# Altium PCB power_board.PcbDoc (part 2 of 2) (continued)
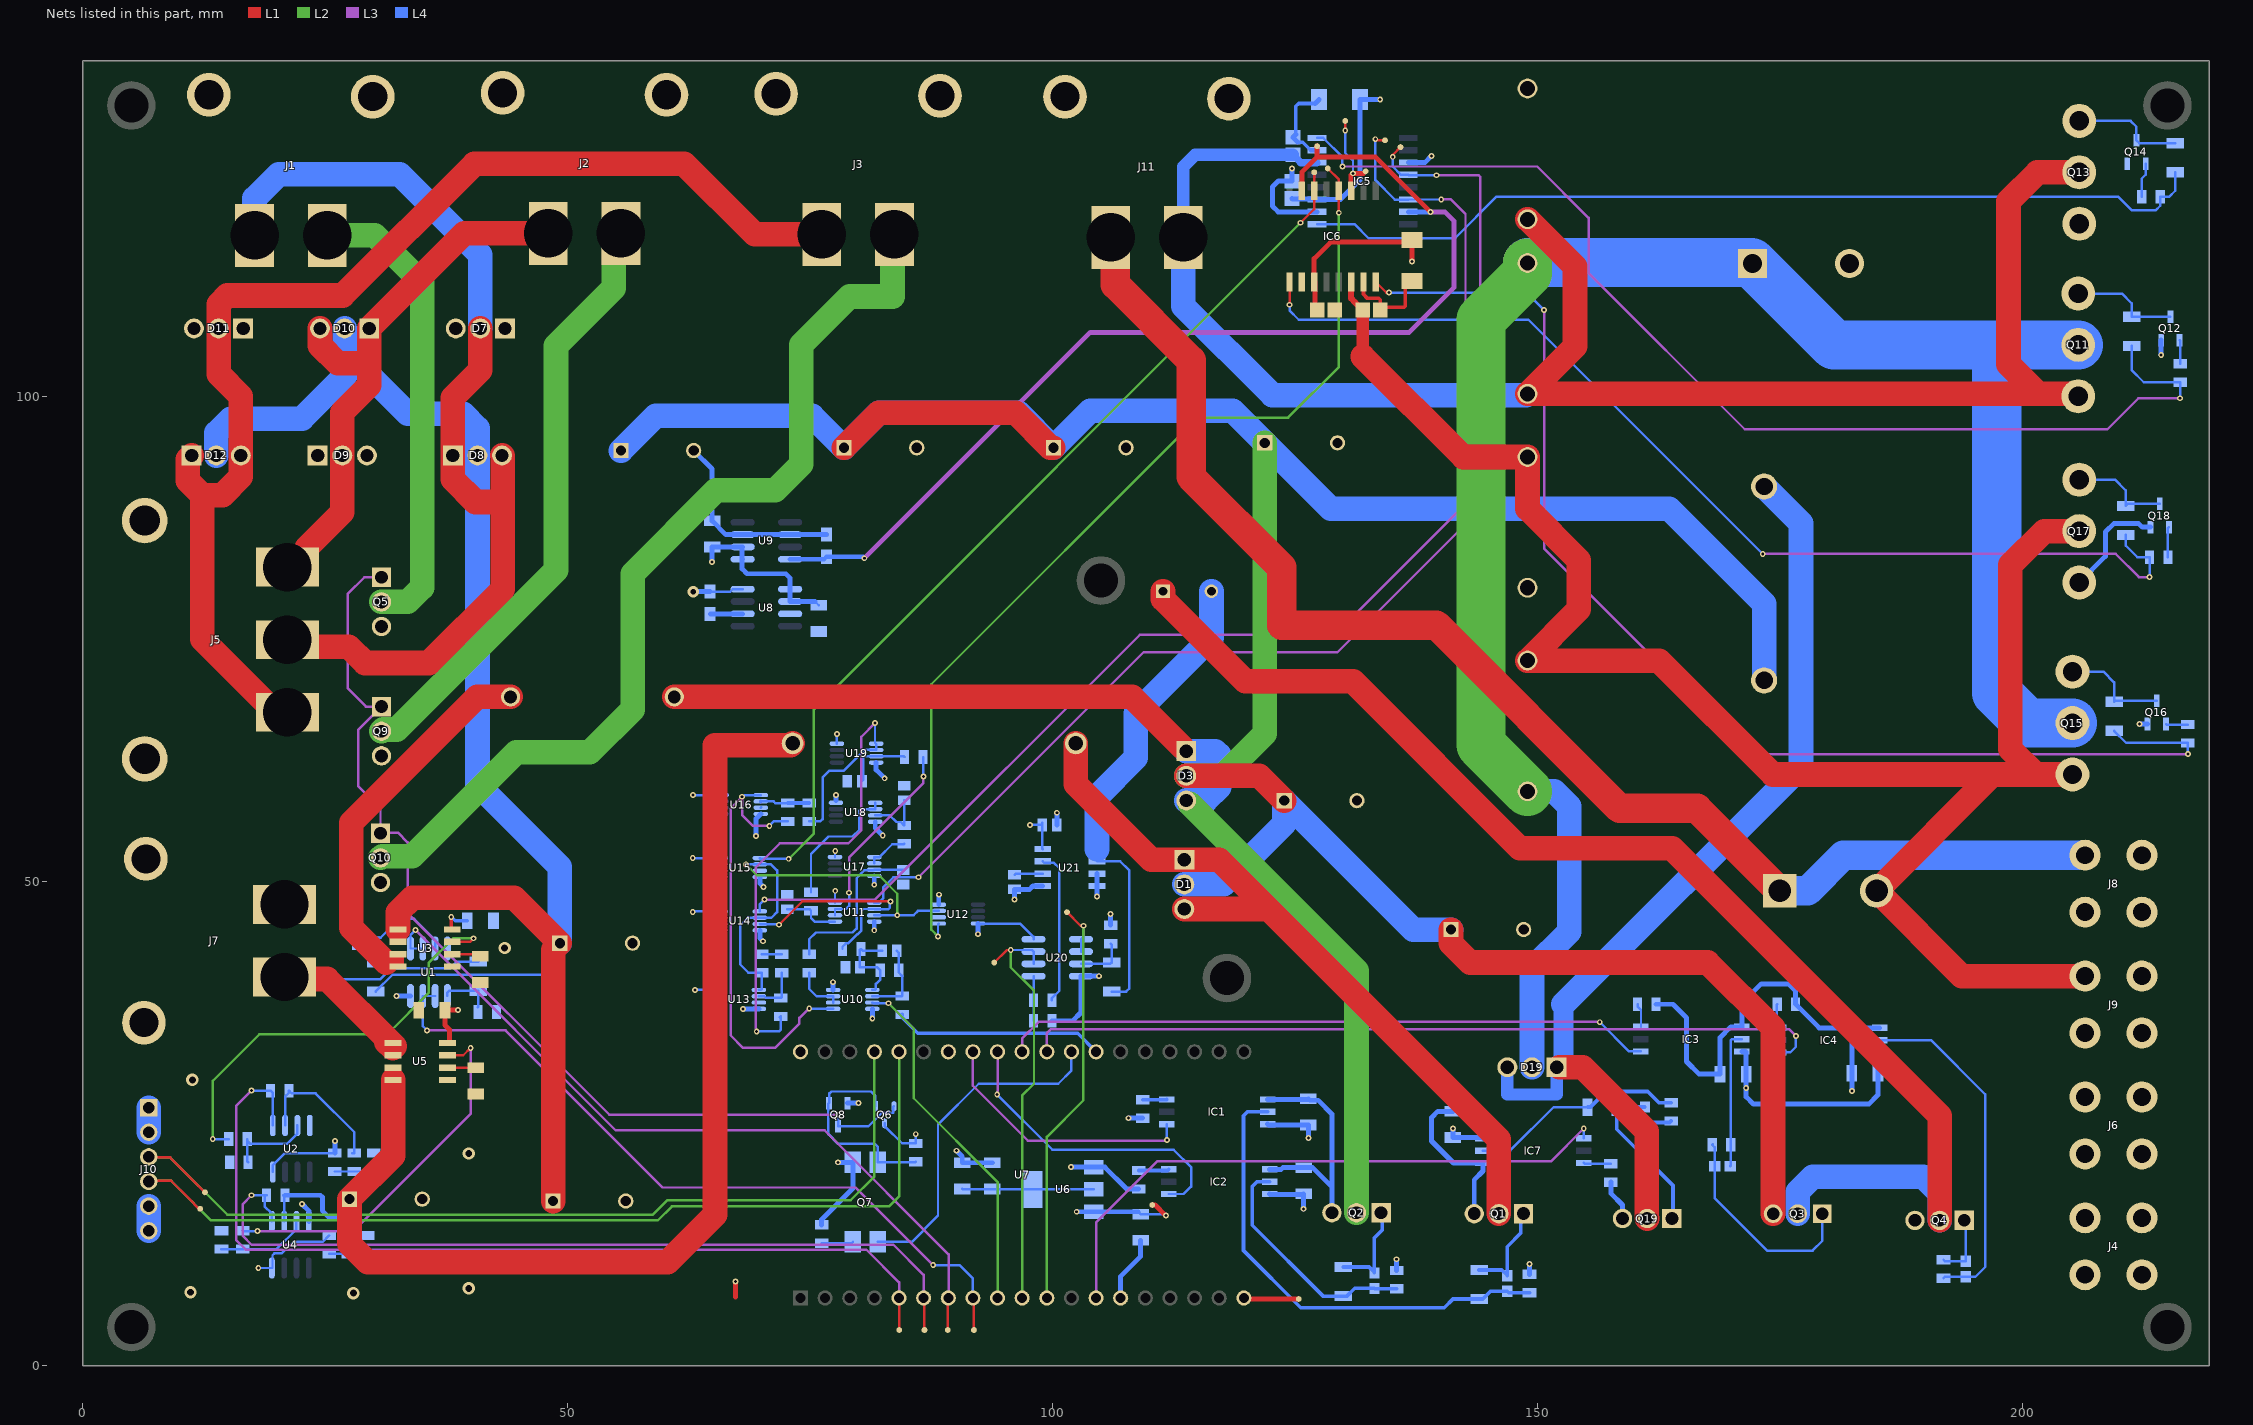
[diagram p4: the nets of this part, all layers, seen from the top]
## Part data (continued)
U20: library part CMP-0384-00618-1, "Double Channel Wide Bandwidth Operational Amplifier, 24 MHz BW, 12 V/us SR, Industrial, 8-pin SOIC (R-8), Reel", Amplifiers Per Package=2, Generic Part Number=AD8616, Input Bias Current=200fA, Input Offset Voltage=23uV, Manufacturer="Analog Devices", Code_JEDEC=MS-012-AA, ComponentLink1Description="Manufacturer URL", ComponentLink1URL=http://www.analog.com/en/index.html, ComponentLink2Description=Datasheet, ComponentLink2URL=http://www.analog.com/static/imported-files/data_sheets/AD8615_8616_8618.pdf, ComponentLink3Description="Package Specification", ComponentLink3URL=http://www.analog.com/static/imported-files/packages/PKG_PDF/SOIC_Narrow%20(R)/R_8.pdf, DatasheetVersion="Rev. E", Iq/Amp=2mA, Mounting Technology="Surface Mount", PackageDescription="8-Pin Standard Small Outline Package, Body 3.9 x 4.9 mm, Pitch 1.27 mm", PackageReference=R-8, PackageVersion=060506-A, PartNumber=AD8616ARZ-REEL7, Slew Rate=12V/us, Small Signal Bandwidth=24MHz, V Span Max=6V, V Span Min=2.7V
U21: library part CMP-0826-00001-1, "Linear Current Sensor IC, 4.5 to 5.5 V Supply Voltage, 10 mA Supply Current, -40 to 85 degC, 8-Pin SOIC (LC), RoHS, Tape and Reel", Manufacturer="Allegro Microsystems", Operating Temperature Range="-40 to 85 degC", CLOAD="10 nF Max.", ComponentLink1Description="Manufacturer URL", ComponentLink1URL=http://www.allegromicro.com/, ComponentLink2Description=Datasheet, ComponentLink2URL=http://www.allegromicro.com/~/media/Files/Datasheets/ACS712-Datasheet.ashx, DatasheetVersion="Rev. 15", F="80 kHz", ICC="10 mA", Mounting Technology="Surface Mount", Optimized Accuracy Range="+/- 20 A", PackageDescription="8-Pin SOIC, Body 4.9 x 3.9 mm, Pitch 1.27 mm", PackageReference=LC-8, Packing="Tape and Reel", PartNumber=ACS712ELCTR-20A-T, RLOAD="4.7 kOhm Min.", RoHS=TRUE, Sensitivity Sens="100 mV/A Typ.", TR="3.5 us", VCC="4.5 to 5.5 V"

## Free pads (board coordinates)
  round 5 hole 3.5: 17(5,4) 17(5,130) 17(105,81) 17(118,40) 17(215,4) 17(215,130)

## Via types
v1: diameter 0.6, hole 0.3, L1 to L4, 106 vias
v2: diameter 1.27, hole 0.711, L1 to L4, 6 vias
v3: diameter 1.2, hole 0.6, L1 to L4, 1 vias

## Nets (pads, with @x,y where several pads share a name; then routed paths per layer and width w, separated by ;. In a path a pad name is that pad's centre, name@x,y a point inside that pad or via, vN(x,y) a via of type N, cw(c..) or ccw(c..) an arc to the next point about the centre after c; other vN are vias at no path point)
+5V: C2.2 C4.2 C18.2 C19.2 C20.1 C36.1 IC5.11 IC6.11 R6.1 R12.1 TP8.1 TP9.1 TP17.1 U1.8 U2.8 U3.8 U4.8 U5.8 U6.2 U6.4 U7.19 U8.8 U10.8 U11.8 U12.8 U13.8 U14.8 U15.8 U16.8 U17.8 U18.8 U19.8 U20.8 U21.8 | length 92.8
  L1 w0.254: v1(130.2,127.4) TP17.1@130.2,128.4
  L1 w0.381: v1(38,46.3) 38,45.105 U3.8@38.1,45.005
  L1 w0.508: U5.8@37.6,33.305 37.8,33.505 37.8,34.7 37.35,35.15 C4.2@37.35,36.7 v1(38.7,36.7) ; 67.3,7.1 v1(67.3,8.7) ; U7.19@119.74,7 119.84,6.9 TP8.1@125.4,6.9 ; IC6.11@130.805,121.212 130.805,122.805 v1(131,123) 132.1,123 TP9.1@132.3,123.2
  L4 w0.254: v1(18.1,10.1) U4.8@19.495,10.1 19.561,10.166 19.561,11.412 19.749,11.6 20.5,11.6 21.7,12.8 24.75,12.8 R12.1@25.4,13.45 ; U2.8@19.595,20 19.595,20.706 20.839,21.95 R6.1@26,21.95 ; v1(62.9,46.8) 62.975,46.875 U14.8@65.775,46.875 ; v1(62.9,52.4) 62.925,52.375 U15.8@65.775,52.375 ; v1(62.925,58.875) U16.8@65.875,58.875 ; v1(63.125,38.775) U13.8@65.675,38.775 ; C20.1@64.7,79.85 66.774,79.85 67.029,80.105 U8.8@68.05,80.105 ; U11.8@77.575,47.775 77.575,48.975 v1(77.6,49) ; U17.8@77.575,52.475 77.575,53.075 v1(77.6,53.1) ; U19.8@77.775,64.175 v1(77.775,65.175) ; C19.2@90.7,18.25 90.75,18.2 U6.4@97.95,18.2 U6.2@104.25,18.2 ; U12.8@92.325,45.625 96.675,45.625 98.05,44.25 U20.8@98.05,44.005 ; v1(97.7,55.8) C36.1@98.95,55.8 ; C36.1@98.95,56 98.95,53.355 U21.8@99,53.305 ; v1(130.2,127.4) 130.2,125.1 131,124.3 v1(131,123)
  L4 w0.381: v1(38,46.3) 38.4,45.9 C2.2@39.65,45.9
  L4 w0.508: R6.1@26,21.95 v1(26,23.2) ; v1(32.35,38.15) U1.8@33.795,38.15 ; v3(62.95,79.85) C20.1@64.7,79.85 ; U10.8@77.375,38.775 v1(77.375,39.575) ; 77.675,58.3 v1(77.675,58.875) ; v1(92.325,44.525) U12.8@92.325,45.625 ; IC5.11@136.712,124.105 138.405,124.105 v1(139.1,124.8)
+12V: C8.1 C9.1 C13.1 C14.1 C17.2 C21.1 C23.1 C26.2 C30.1 C39.1 D13.2 D16.2 IC1.6 IC2.6 IC3.6 IC4.6 IC5.3 IC6.3 IC7.6 J4.1 J4.2 J4.3 J4.4 J10.1 J10.2 Q6.3 R27.2 TP7.1 U6.3 U8.1 U8.2 U9.1 U9.2 U21.3 U21.4 | length 114.8
  L1 w0.508: TP7.1@110.3,16.6 110.6,16.6 v1(111.7,15.5) ; C30.1@127.3,108.9 127.066,109.134 127.066,111.717 IC6.3@126.995,111.788 126.995,114.195 128.7,115.9 136.89,115.9 D16.2@137.1,116.11 v1(137.1,113.9) ; C30.1@127.4,109.1 C30.1@127.6,108.9
  L4 w0.254: C23.1@64.9,84.45 C23.1@64.915,84.465 ; U9.1@68,83.245 U9.1@68.05,83.195 ; U9.2@68,84.415 U9.2@68.05,84.465 ; C21.1@75.515,78.835 C21.1@75.9,78.45 ; Q6.3@82.7,25.025 82.7,24.758 84.508,22.95 R27.2@85.9,22.95 v1(85.9,23.9) ; C17.2@108.85,15.9 C17.2@109.1,15.65 111.55,15.65 v1(111.7,15.5)
  L4 w0.508: v1(64.9,82.9) C23.1@64.9,84.45 ; C23.1@64.915,84.465 U9.2@68.05,84.465 ; U9.1@68,83.245 U9.2@68,84.415 ; U9.1@68.05,83.195 68,83.145 68,82.2 68.5,81.7 72.5,81.7 72.95,81.25 U8.1@72.95,80.105 U8.2@72.95,78.835 C21.1@75.515,78.835 ; v1(102.5,15.9) U6.3@104.25,15.9 C17.2@108.85,15.9 ; v1(104.6,48.4) U21.4@104.6,49.495 U21.3@104.6,50.765 ; IC1.6@122.2,24.93 122.28,24.85 C8.1@126.4,24.85 v1(126.4,23.5) ; IC2.6@122.4,17.73 122.43,17.7 125.85,17.7 C9.1@125.9,17.75 v1(125.9,16.2) ; C26.2@124.7,120.4 124.753,120.347 127.236,120.347 IC5.3@127.288,120.295 129.695,120.295 131.71,122.31 D13.2@131.71,130.6 v1(133.8,130.6) ; v1(141.3,24.5) C39.1@141.3,23.55 144.32,23.55 IC7.6@144.4,23.47 ; IC3.6@171.1,32.43 171.479,32.43 171.55,32.359 C13.1@171.55,30.1 v1(171.55,28.65) 171.55,27.75 172.3,27 184.2,27 185.15,27.95 C14.1@185.15,30.2 185.15,32.28 IC4.6@185.1,32.33
  L4 w2.54: J10.2@6.8,24.1 J10.1@6.8,26.64
BRAKE: Q7.1 U7.31 | length 34.8
  L4 w0.254: Q7.1@81.97,12.8 85.5,12.8 88.2,15.5 88.2,24.9 92.4,29.1 100.6,29.1 101.96,30.46 U7.31@101.96,32.4
BREAK: Q5.1 Q6.2 Q8.3 Q9.1 Q10.1 | length 104.9
  L3 w0.254: Q5.1@30.8,81.34 29.04,81.34 27.3,79.6 27.3,69.9 29.2,68 Q9.1@30.8,68 28.4,65.6 28.4,59.8 30.7,57.5 Q10.1@30.7,54.94 30.76,55 32.5,55 33.5,54 33.5,46.7 54.3,25.9 v1(77.9,25.9)
  L4 w0.254: v1(77.9,25.9) Q8.3@77.9,24.7 81,24.7 82.4,26.1 83.551,26.1 83.599,26.147 83.599,26.724 Q6.2@83.65,26.775
"DC BUS": C6.1 C7.1 C10.1 C11.1 C12.1 C37.1 D1.2 D3.2 L3.1 Q3.3 | length 312.5
  L1 w2.54: C7.1@78.5,94.7 82.1,98.3 96.2,98.3 99.8,94.7 C10.1@100.1,94.7 ; D3.2@113.8,60.86 121.34,60.86 C12.1@123.9,58.3 ; C37.1@141.1,45 141.1,43.6 143.1,41.6 144.3,41.6 167.6,41.6 174.32,34.88 Q3.3@174.32,15.7
  L2 w2.54: D3.2@113.8,60.86 117.56,60.86 121.9,65.2 C11.1@121.9,95.2
  L4 w2.54: C6.1@55.5,94.4 59.1,98 75.2,98 C7.1@78.5,94.7 82.1,98.3 96.5,98.3 C10.1@100.1,94.7 103.9,98.5 118.6,98.5 C11.1@121.9,95.2 128.7,88.4 163.6,88.4 173.4,78.6 L3.1@173.4,70.7 ; D1.2@113.6,49.66 117.66,49.66 123.9,55.9 C12.1@123.9,58.3 137.2,45 C37.1@141.1,45
DCBUS: C38.1 D14.1 D17.1 D19.2 Q11.2 Q15.2 | length 197.2
  L2 w5.08: D17.1@149,59.255 144.2,64.055 144.2,107.9 149,112.7 D14.1@149,113.745
  L4 w2.54: D17.1@149,59.255 151.745,59.255 153.3,57.7 153.3,44.8 149.46,40.96 D19.2@149.46,30.8
  L4 w5.08: D14.1@149,113.745 149.055,113.8 172.1,113.8 C38.1@172.2,113.7 180.6,105.3 197.4,105.3 ; Q15.2@205.2,66.3 200.5,66.3 197.4,69.4 197.4,105.3 ; Q11.2@205.8,105.3 197.4,105.3
GND: C1.1 C2.1 C3.1 C4.1 C5.2 C6.2 C7.2 C8.2 C9.2 C10.2 C11.2 C12.2 C13.2 C14.2 C15.2 C16.2 C17.1 C18.1 C19.1 C22.2 C23.2 C26.1 C30.2 C35.2 C36.2 C37.2 C38.2 C39.2 D7.1 D7.3 D9.1 D9.3 D11.1 D11.3 D15.2 D18.2 IC1.4 IC2.4 IC3.4 IC4.4 IC5.2 IC6.2 IC7.4 J1.3 J1.4 J2.3 J2.4 J3.3 J3.4 J5.MH1 J5.MH2 J6.1 J6.2 J6.3 J6.4 J7.1 J7.3 J7.4 J10.5 J10.6 J11.3 J11.4 Q1.3 Q2.3 Q4.3 Q5.3 Q7.3 Q8.2 Q9.3 Q10.3 Q12.2 Q13.3 Q14.2 Q16.2 Q17.3 Q18.2 Q19.3 R3.1 R4.1 R9.1 R10.2 R15.1 R16.2 R18.1 R19.1 R21.1 R22.1 R24.1 R26.1 R28.1 R50.1 R52.1 R55.1 U1.4 U2.4 U3.5 U4.4 U5.5 U6.1 U7.14 U7.20 U7.26 U9.3 U9.6 U10.4 U11.4 U12.4 U13.4 U14.4 U15.4 U16.4 U17.4 U18.4 U19.4 U20.4 U21.5 | length 203.8
  L4 w0.508: v1(22.6,16.7) 23.305,15.995 U4.4@23.305,14.9 ; C6.2@63,94.4 64.9,92.5 C23.2@64.9,87.15 66.315,85.735 U9.3@68.05,85.735 U9.6@72.95,85.735 76.685,85.735 C22.2@76.7,85.75 ; v1(68.1,36.8) 69.7,36.8 U13.4@69.725,36.825 ; v1(69.437,54.663) 69.437,56.437 U16.4@69.925,56.925 ; U14.4@69.825,44.925 69.825,44.125 v1(70.15,43.8) ; U15.4@69.825,50.425 69.825,49.775 v1(70.2,49.4) ; R28.1@76.2,14.55 76.2,15.1 79.43,18.33 Q7.3@79.43,21 v1(77.9,21) ; Q8.2@78.85,27.1 v1(80,27.1) ; v1(81.425,35.825) U10.4@81.425,36.825 ; v1(81.625,44.925) U11.4@81.625,45.825 ; v1(81.625,49.625) U17.4@81.625,50.525 ; U18.4@81.725,56.125 81.725,55.475 v1(82.5,54.7) ; U19.4@81.825,62.225 81.825,61.475 v1(82.7,60.6) ; U12.4@88.275,47.575 88.275,48.575 v1(88.3,48.6) ; v1(90.1,22.2) 90.7,21.6 C19.1@90.7,20.95 C18.1@93.8,20.95 ; v1(96.1,48.1) C35.2@96.1,49.15 97.65,49.15 97.995,49.495 U21.5@99,49.495 ; R52.1@99.95,35.6 102.1,35.6 102.95,36.45 U20.4@102.95,40.195 v1(104.795,40.195) ; C36.2@100.45,55.8 v1(100.45,57.05) ; v1(101.9,20.5) U6.1@104.25,20.5 105.4,20.5 107.65,18.25 R22.1@108.9,18.25 ; R50.1@106,45.45 v1(106,46.6) ; U7.14@107.04,7 107.04,9.24 109.1,11.3 C17.1@109.1,12.95 ; v1(107.85,25.55) R19.1@109.3,25.55 ; IC1.4@122.2,27.47 126.32,27.47 C8.2@126.4,27.55 126.55,27.4 127.4,27.4 128.82,25.98 128.82,18.48 ; IC2.4@122.4,20.27 123.57,20.27 123.75,20.45 C9.2@125.9,20.45 126.85,20.45 128.82,18.48 ; v1(124.7,123.5) C26.1@124.7,122.2 123.3,122.2 122.7,121.6 122.7,119.6 123.275,119.025 IC5.2@127.288,119.025 ; Q2.3@128.82,15.8 128.82,18.48 ; R21.1@135.5,9.85 v1(135.5,11) ; C39.2@141.3,26.25 139.75,26.25 139.1,25.6 139.1,23.2 141.37,20.93 IC7.4@144.4,20.93 144.4,20.1 143.5,19.2 Q1.3@143.5,15.7 ; R18.1@149.2,9.45 v1(149.2,10.5) ; R55.1@157.6,18.95 157.6,17.8 158.8,16.6 Q19.3@158.8,15.2 ; R24.1@162.25,37.3 164,37.3 165.4,35.9 165.4,31.4 166.7,30.1 C13.2@168.85,30.1 168.85,33.85 169.97,34.97 IC3.4@171.1,34.97 171.1,37.4 173.1,39.4 175.9,39.4 176.65,38.65 R26.1@176.65,37.3 179.08,34.87 183.37,34.87 ; v1(182.45,28.35) C14.2@182.45,30.2 182.45,33.95 183.37,34.87 ; IC4.4@185.3,34.87 183.37,34.87 ; Q17.3@205.9,80.8 208.6,83.5 208.6,86 209.5,86.9 212,86.9 212.4,86.5 Q18.2@213.25,86.5 ; v1(212.1,66.2) Q16.2@212.95,66.2 ; v1(214.35,104.25) Q12.2@214.35,105.8
  L4 w2.54: J10.6@6.8,13.94 J10.5@6.8,16.48
  other v2: 27.9,7.5 11.1,7.6 39.8,8 39.8,21.9 11.3,29.5 43.5,43.1
HGND: C20.2 C21.2 C22.1 C27.1 C31.1 C32.1 C33.1 C34.1 IC5.15 IC6.15 TP10.1 U8.3 U8.6 U9.8 U12.2 U13.3 U15.3 U16.3 | length 114.8
  L1 w0.508: IC6.15@125.725,121.212 125.725,123.125 127.3,124.7 ; TP10.1@127.3,125.8 127.3,124.7 ; v1(139,119) 133.3,124.7 127.3,124.7
  L3 w0.508: v1(80.6,83.3) 103.9,106.6 136.8,106.6 141.4,111.2 141.4,118.1 140.5,119 v1(139,119)
  L4 w0.254: C20.2@64.7,77.55 C20.2@64.715,77.565 ; U16.3@69.925,57.575 U16.3@69.95,57.6 ; C22.1@76.445,83.195 C22.1@76.7,83.45 ; v1@80.45,83.45 v1(80.6,83.3) ; IC5.15@136.712,119.025 IC5.15@136.725,119.012 ; v1@138.988,119.012 v1(139,119)
  L4 w0.508: C20.2@64.715,77.565 U8.6@68.05,77.565 ; U9.8@72.95,83.195 C22.1@76.445,83.195 ; C22.1@76.7,83.45 v1@80.45,83.45 ; IC5.15@136.725,119.012 v1@138.988,119.012
IBAT: TP16.1 U7.10 U20.6 U20.7 | length 43.3
  L1 w0.254: TP16.1@94,41.6 95.295,42.895 v1(95.7,42.895)
  L2 w0.254: v1(95.7,42.895) 95.7,41.1 98.1,38.7 98.1,29.1 96.88,27.88 U7.10@96.88,7
  L4 w0.254: v1(95.7,42.895) 97.89,42.895 U20.7@98.05,42.735 U20.6@98.05,41.465
NetC1_2: C1.2 U3.6 | length 3
  L1 w0.254: U3.6@38.1,42.465 40.785,42.465 C1.2@41,42.25
NetC3_2: C3.2 U5.6 | length 2.9
  L1 w0.254: U5.6@37.6,30.765 40.485,30.765 C3.2@40.5,30.75
NetC5_1: C5.1 L1.1 U5.3 U5.4 | length 116.5
  L1 w1.27: U5.4@32,29.495 32,30.2
  L1 w2.54: U5.4@32,29.495 32,21.7 C5.1@27.5,17.2 27.5,12.6 29.4,10.7 60.3,10.7 65.2,15.6 65.2,64 73,64 L1.1@73.2,64.2
NetC15_1: C15.1 C16.1 D8.2 D10.2 D12.2 R1.1 U3.1 U3.2 | length 166.9
  L1 w1.27: 32.5,44.1 32.5,44.6
  L1 w2.54: U3.1@32.5,45.005 32.5,46.8 34,48.3 44.5,48.3 C16.1@49.2,43.6 48.5,42.9 C15.1@48.5,17
  L4 w0.254: R1.1@30.2,38.6 31.945,40.345 47.445,40.345 49,41.9 49,43.4 C16.1@49.2,43.6
  L4 w2.54: D12.2@13.76,93.9 13.76,96.212 15.248,97.7 22.6,97.7 27,102.1 27,104.7 ; D10.2@27,107 27,104.7 ; C16.1@49.2,43.6 49.2,51.5 40.7,60 D8.2@40.7,93.9 40.7,96.712 39.212,98.2 33.5,98.2 27,104.7
NetC24_1: C24.1 C27.2 R31.2 R33.1 U10.1 | length 9
  L4 w0.254: U10.1@81.425,38.775 81.709,38.775 81.8,38.866 81.8,39.4 82.25,39.85 R31.2@82.25,40.8 81.95,41.1 C27.2@80.15,41.1 80.15,42.9 R33.1@80.25,43 80.45,42.8 C24.1@82.45,42.8
NetC24_2: C24.2 R31.1 R32.2 U10.2 | length 8
  L4 w0.254: U10.2@81.425,38.125 84.475,38.125 R32.2@84.5,38.15 84.5,40.225 84.15,40.575 R31.1@84.15,40.8 84.15,42.6 C24.2@83.95,42.8
NetC25_1: C25.1 D13.1 IC5.7 | length 9
  L4 w0.381: C25.1@125.1,127 125.1,129.902 125.398,130.2 D13.1@127.09,130.2 ; C25.1@125.296,126.204 125.822,126.204 IC5.7@126.651,125.375
  L4 w0.508: C25.1@125.1,127 C25.1@124.8,126.7 C25.1@125.296,126.204 ; IC5.7@126.651,125.375 IC5.7@127.288,125.375 ; D13.1@127.09,130.2 D13.1@127.49,130.6
NetC25_2: C25.2 D14.2 D15.1 IC5.6 J11.1 Q11.3 Q13.2 | length 177.5
  L1 w1.27: Q11.3@205.545,100.255 Q11.3@205.8,100
  L1 w2.54: J11.1@113.5,116.4 J11.1@113.5,117.65 ; D15.1@149,118.255 153.9,113.355 153.9,105.155 D14.2@149,100.255 201.645,100.255 ; Q11.3@205.545,100.255 201.645,100.255 ; Q13.2@205.9,123.1 201.6,123.1 198.6,120.1 198.6,103.3 201.645,100.255
  L4 w0.762: C25.2@125.321,124.403 125.619,124.105 IC5.6@127.288,124.105
  L4 w1.27: J11.1@113.5,116.4 113.5,123.7 114.7,124.9 C25.2@124.8,124.9 ; D14.2@148.845,100.1 D14.2@149,100.255
  L4 w2.54: J11.1@113.5,116.4 113.5,109.3 122.7,100.1 125.8,100.1 D14.2@148.845,100.1
NetC28_1: C28.1 J8.1 J8.2 J8.3 J8.4 J11.2 | length 143
  L1 w3.048: J11.2@106.01,116.4 106.486,115.924 106.486,111.514 114.3,103.7 114.3,91.7 123.65,82.35 123.65,76.4 139.6,76.4 158.5,57.5 166.5,57.5 C28.1@175,49
  L4 w3.048: C28.1@175,49 177.9,49 181.57,52.67 J8.1@206.5,52.67
NetC28_2: C28.2 C29.1 D17.2 D18.1 IC6.6 J9.1 J9.2 J9.3 J9.4 Q15.3 Q17.2 | length 189.3
  L1 w0.635: IC6.6@130.805,111.788 130.805,110.095 131.177,109.723 131.202,109.723 132,108.925 C29.1@132,108.9
  L1 w1.27: 132,104.1 C29.1@132,108.9
  L1 w2.54: 132,104.1 142.355,93.745 D18.1@149,93.745 149,88.4 154.3,83.1 154.3,78.045 D17.2@149,72.745 162.555,72.745 174.3,61 197,61 ; Q15.3@205.2,61 201.4,61 ; Q17.2@205.9,86.1 202.3,86.1 198.8,82.6 198.8,63.6 201.4,61 ; J9.1@206.5,40.203 193.797,40.203 C28.2@185,49 197,61 ; 197,61 201.4,61
NetC29_2: C29.2 D16.1 IC6.7 | length 9.9
  L1 w0.254: C29.2@133.8,108.9 C29.2@134.1,109.2 ; D16.1@136.4,111.207 137.083,111.89 D16.1@137.1,111.89
  L1 w0.381: IC6.7@132.075,111.788 132.075,110.525 132.5,110.1 133.651,110.1 133.8,109.951 C29.2@133.8,108.9 ; C29.2@134.1,109.2 136.251,109.2 136.4,109.349 D16.1@136.4,111.207
NetC31_2: C31.2 R43.2 U17.3 | length 17.3
  L4 w0.254: R43.2@74.9,42.45 74.9,44 75.6,44.7 79.4,44.7 79.8,45.1 79.8,50.3 80.637,51.137 81.587,51.137 U17.3@81.625,51.175 84.575,51.175 C31.2@84.6,51.15
NetC32_2: C32.2 R48.1 U11.5 | length 5.9
  L4 w0.254: C32.2@72.655,47.098 74.952,47.098 R48.1@75.1,46.95 75.1,46.2 75.475,45.825 U11.5@77.575,45.825
NetC33_2: C33.2 R46.1 U18.3 | length 6
  L4 w0.254: U18.3@81.725,56.775 83.225,56.775 83.902,56.098 84.352,56.098 R46.1@84.7,55.75 C33.2@84.7,58.35
NetC34_2: C34.2 R47.1 U19.3 | length 6.8
  L4 w0.254: C34.2@80.35,60.3 80.5,60.45 80.5,62.726 80.649,62.875 U19.3@81.825,62.875 84.675,62.875 R47.1@84.75,62.8
NetC35_1: C35.1 U21.6 | length 2.9
  L4 w0.254: C35.1@96.1,50.65 96.215,50.765 U21.6@99,50.765
NetD1_1: D1.1 D1.3 L1.2 Q1.2 | length 79.3
  L1 w2.54: L1.2@102.41,64.2 102.41,59.99 110.2,52.2 D1.1@113.6,52.2 117.2,52.2 122.2,47.2 ; D1.3@113.6,47.12 122.12,47.12 122.2,47.2 ; Q1.2@146.04,15.7 146.04,23.36 122.2,47.2
NetD2_1: D2.1 IC1.5 R17.1 R18.2 | length 49.3
  L4 w0.381: IC1.5@122.2,26.2 120.1,26.2 119.7,25.8 119.7,11.9 125.6,6 140.4,6 141.3,6.9 R17.1@144,6.9 144.375,6.9 145.175,7.7 D2.1@146.9,7.7 147.05,7.55 R18.2@149.2,7.55
NetD2_2: D2.2 Q1.1 R17.2 | length 10.2
  L4 w0.381: R17.2@144,9.9 146.35,9.9 D2.2@146.9,9.35 ; D2.2@146.9,9.3 D2.2@146.9,9.35 ; Q1.1@148.58,15.7 148.3,15.42 148.3,13.7 146.9,12.3 D2.2@146.9,9.35
NetD3_1: D3.1 D3.3 FL1.2 Q2.2 | length 114.7
  L1 w2.54: FL1.2@61,69 108.2,69 D3.1@113.4,63.8
  L2 w2.54: D3.3@114.16,57.96 131.36,40.76 Q2.2@131.36,15.8
  L4 w2.54: D3.3@113.8,58.32 115.82,58.32 117.2,59.7 117.2,63 116.8,63.4 D3.1@113.8,63.4
NetD4_1: D4.1 IC2.5 R20.1 R21.2 | length 24.3
  L4 w0.381: IC2.5@122.4,19 121.1,19 120.6,18.5 120.6,14.5 127.9,7.2 R20.1@130,7.2 130.375,7.2 131.175,8 D4.1@133.2,8 133.25,7.95 R21.2@135.5,7.95
NetD4_2: D4.2 Q2.1 R20.2 | length 10
  L4 w0.381: R20.2@130,10.2 132.65,10.2 D4.2@133.2,9.65 ; D4.2@133.2,9.6 D4.2@133.2,9.65 ; Q2.1@133.9,15.8 134,15.7 134,14 133.2,13.2 D4.2@133.2,9.65
NetD5_1: D5.1 IC3.5 R23.1 | length 14.2
  L4 w0.254: D5.1@169.9,20.6 169.95,20.65 R23.1@169.95,22.8 169.95,33.55 170.1,33.7 IC3.5@171.1,33.7
NetD5_2: D5.2 Q3.1 R23.2 | length 22.2
  L4 w0.254: R23.2@168.1,22.85 R23.2@168.05,22.8 168.3,22.55 D5.2@168.3,20.6 168.3,17.3 173.7,11.9 178.4,11.9 179.4,12.9 Q3.1@179.4,15.7
NetD6_1: D6.1 IC4.5 R25.1 | length 35.8
  L4 w0.254: IC4.5@185.3,33.6 190.6,33.6 196.2,28 196.2,10.2 195.2,9.2 D6.1@194.2,9.2 192.05,9.2 R25.1@191.9,9.05
NetD6_2: D6.2 Q4.1 R25.2 | length 6.6
  L4 w0.254: R25.2@191.9,10.95 192.05,10.8 D6.2@194.2,10.8 194.2,14.85 Q4.1@194.04,15.01
NetD7_2: D7.2 D8.1 D8.3 J1.2 J5.2 | length 102.2
  L1 w2.54: J5.2@21.1,74.9 21.83,74.17 27.43,74.17 29.1,72.5 35.7,72.5 43.3,80.1 43.3,89 ; D7.2@41,107 41,102.7 38.16,99.86 D8.1@38.16,93.9 38.16,91.44 40.5,89.1 43.2,89.1 43.3,89 ; D8.3@43.24,93.9 43.3,93.84 43.3,89
  L4 w2.54: J1.2@17.71,116.6 17.71,120.41 20.2,122.9 32.7,122.9 41,114.6 D7.2@41,107
NetD9_2: D9.2 D10.1 D10.3 J2.2 J5.1 | length 59
  L1 w2.54: J5.1@21.1,82.39 22.35,82.39 23.08,83.12 23.08,84.37 26.76,88.05 D9.2@26.76,93.9 26.76,98.36 29.54,101.14 29.54,103.4 ; D10.3@24.46,107 24.46,105.24 26.3,103.4 29.54,103.4 ; J2.2@48.01,116.8 39.34,116.8 D10.1@29.54,107 29.54,103.4
NetD11_2: D11.2 D12.1 D12.3 J3.2 J5.3 | length 126.4
  L1 w2.54: D12.1@11.22,93.9 10.812,93.492 10.812,91.3 12.3,89.812 ; J5.3@21.1,67.41 19.85,67.41 12.3,74.96 12.3,89.812 ; J3.2@76.21,116.7 69.3,116.7 62,124 40.4,124 26.8,110.4 14.9,110.4 14,109.5 D11.2@14,107 14,102.3 16.3,100 D12.3@16.3,93.9 16.3,91.7 14.408,89.808 12.304,89.808 12.3,89.812
NetD19_1: D19.1 D19.3 L3.2 Q19.2 | length 103.3
  L1 w2.54: D19.1@152.3,30.8 154.7,30.8 161.3,24.2 161.3,15.24 Q19.2@161.34,15.2
  L4 w1.27: D19.3@146.92,30.8 146.92,28 152,28 D19.1@152,30.8
  L4 w2.032: D19.1@152,30.8 152.7,31.5 152.7,37.3
  L4 w2.54: 152.7,37.3 177.2,61.8 177.2,86.9 L3.2@173.4,90.7
NetD20_1: D20.1 R54.1 | length 2.8
  L4 w0.381: D20.1@161.1,25.1 163.651,25.1 R54.1@163.8,25.25
NetD20_2: D20.2 Q19.1 R53.2 | length 16.9
  L4 w0.381: D20.2@161.1,26.7 R53.2@158.2,26.7 158.2,24.4 164,18.6 164,15.32 Q19.1@163.88,15.2
NetFL1_1: FL1.1 U3.3 U3.4 | length 39.4
  L1 w1.27: 31.3,41.6 32.5,41.6 32.5,42.1
  L1 w2.54: 31.3,41.6 27.7,45.2 27.7,56 40.7,69 FL1.1@44.12,69
NetIC1_1: IC1.1 U7.27 | length 27.5
  L3 w0.254: U7.27@91.8,32.4 91.8,28.9 97.457,23.243 111.8,23.243 111.82,23.263 v1(111.82,23.302)
  L4 w0.254: IC1.1@111.8,24.93 111.8,23.322 v1(111.82,23.302)
NetIC1_3: IC1.3 R19.2 | length 2.5
  L4 w0.381: R19.2@109.3,27.45 111.78,27.45 IC1.3@111.8,27.47
NetIC2_1: IC2.1 U7.28 | length 32.1
  L3 w0.254: v1(94.3,28) 94.34,28.04 U7.28@94.34,32.4
  L4 w0.254: v1(94.3,28) 100,22.3 112.5,22.3 114.3,20.5 114.3,18.5 113.53,17.73 IC2.1@112,17.73
NetIC2_3: IC2.3 R22.2 | length 3.1
  L4 w0.381: R22.2@108.9,20.15 111.88,20.15 IC2.3@112,20.27
NetIC3_1: IC3.1 U7.29 | length 67.4
  L3 w0.254: U7.29@96.88,32.4 96.88,33.78 98.6,35.5 156.4,35.5 v1(156.45,35.45)
  L4 w0.254: U7.29@96.88,32.4 U7.29@97.034,32.554 ; v1(156.45,35.45) 159.47,32.43 IC3.1@160.7,32.43
NetIC3_3: IC3.3 R24.2 | length 2.5
  L4 w0.254: R24.2@160.35,37.3 160.35,37.075 160.7,36.725 IC3.3@160.7,34.97
NetIC4_1: IC4.1 U7.30 | length 83.3
  L3 w0.254: U7.30@99.8,32.78 U7.30@99.42,32.4 99.42,34.32 99.8,34.7 176,34.7 v1(176.68,34.02)
  L4 w0.254: IC4.1@174.9,32.33 176.09,32.33 176.68,32.92 v1(176.68,34.02)
NetIC4_3: IC4.3 R26.2 | length 2.5
  L4 w0.254: IC4.3@174.7,34.87 174.7,37.25 R26.2@174.75,37.3
NetIC5_1: IC5.1 R34.1 R35.1 | length 94.8
  L4 w0.254: IC5.1@127.288,117.755 131.145,117.755 132.6,116.3 141.5,116.3 145.8,120.6 209.9,120.6 211.3,119.2 213.8,119.2 214.25,119.65 R35.1@214.25,120.6 215.2,120.6 215.8,121.2 R34.1@215.8,123.1
NetIC5_8: IC5.8 R29.1 R30.1 | length 116.4
  L3 w0.254: v1(129.9,123.7) 150,123.7 155.3,118.4 155.3,112.7 171.4,96.6 208.8,96.6 212.003,99.803 v1(216.3,99.803)
  L4 w0.254: IC5.8@127.288,126.645 127.926,126.645 129.9,124.67 v1(129.9,123.7) ; R29.1@211.3,105.2 211.3,102.7 212.55,101.45 R30.1@216.3,101.45 v1(216.3,99.803)
NetIC6_1: IC6.1 R44.1 R45.1 | length 109.1
  L1 w0.254: IC6.1@124.455,111.788 124.46,111.783 124.46,109.451 v1(124.466,109.445)
  L3 w0.254: v1(173.261,83.739) 209.661,83.739 212.05,81.35 v1(213.15,81.35)
  L4 w0.254: v1(124.466,109.445) 124.466,108.834 125.4,107.9 149.1,107.9 v1(173.261,83.739) ; R44.1@210.7,85.7 210.7,84.6 211.9,83.4 R45.1@213.15,83.4 v1(213.15,81.35)
NetIC6_8: IC6.8 R39.1 R40.1 | length 127.6
  L1 w0.254: IC6.8@133.345,111.788 134.433,110.7 v1(134.7,110.7)
  L3 w0.254: v1(150.7,108.9) 150.7,84.3 171.9,63.1 v1(217.1,63.1)
  L4 w0.254: v1(134.7,110.7) 148.9,110.7 v1(150.7,108.9) ; R39.1@209.5,65.5 210.75,64.25 R40.1@217.1,64.25 v1(217.1,63.1)
NetIC7_1: IC7.1 U7.13 | length 63.1
  L3 w0.254: U7.13@104.5,7 104.5,14.8 110.8,21.1 151.4,21.1 v1(154.8,24.5)
  L4 w0.254: IC7.1@154.8,23.47 v1(154.8,24.5)
NetIC7_3: IC7.3 R55.2 | length 2.8
  L4 w0.254: IC7.3@154.8,20.93 154.88,20.85 R55.2@157.6,20.85
NetIC7_5: IC7.5 R53.1 R54.2 | length 22.4
  L4 w0.254: IC7.5@144.4,22.2 147.2,22.2 151.7,26.7 R53.1@155.2,26.7
  L4 w0.381: R53.1@155.2,26.7 155.5,26.7 157.1,28.3 161.4,28.3 162.55,27.15 R54.2@163.8,27.15
NetJ1_1: J1.1 Q5.2 | length 47.2
  L2 w2.54: J1.1@26.1,116.6 30.1,116.6 35,111.7 35,80.288 33.512,78.8 Q5.2@30.8,78.8
NetJ2_1: J2.1 Q9.2 | length 61
  L2 w2.54: Q9.2@30.8,65.46 30.973,65.633 32.365,65.633 48.8,82.069 48.8,105.2 54.77,111.17 54.77,115.27 J2.1@55.1,115.6
NetJ3_1: J3.1 Q10.2 | length 98.1
  L2 w2.54: Q10.2@30.7,52.4 30.873,52.573 33.974,52.573 44.7,63.3 52.3,63.3 56.7,67.7 56.7,81.7 65.3,90.3 71.4,90.3 74.1,93 74.1,105.3 79.1,110.3 83.5,110.3 J3.1@83.5,116.2
NetJ7_2: J7.2 R2.1 U5.1 U5.2 | length 36.4
  L1 w2.54: J7.2@20.8,40.11 21.01,39.9 25.2,39.9 31.897,33.202 32.15,32.95 31.95,32.75 U5.1@31.3,33.4
  L4 w0.254: J7.2@20.8,40.11 21.01,39.9 30.7,39.9 31.8,41 37.9,41 38.6,41.7 R2.1@40.8,41.7
NetJ10_3: J10.3 TP5.1 U7.23 | length 99.1
  L1 w0.254: J10.3@6.8,21.56 6.86,21.5 9,21.5 TP5.1@12.6,17.9
  L2 w0.254: J10.3@6.779,21.5 9,21.5 14.9,15.6 58.8,15.6 60.3,17.1 79.2,17.1 81.64,19.54 U7.23@81.64,32.4
NetJ10_4: J10.4 TP6.1 U7.24 | length 101.6
  L1 w0.254: J10.4@6.8,19.02 6.88,19.1 9.1,19.1 10.9,17.3 12,16.2 TP6.1@12.1,16.2
  L2 w0.254: J10.4@6.752,19.1 9.1,19.1 13.2,15 59.3,15 60.76,16.46 83.16,16.46 84.18,17.48 U7.24@84.18,32.4
NetL2_1: L2.1 Q3.2 Q4.2 | length 134.8
  L1 w2.54: L2.1@111.4,79.9 111.4,79.1 119.9,70.6 131,70.6 148.2,53.4 163.9,53.4 191.5,25.8 Q4.2@191.5,15.01
  L4 w2.54: Q3.2@176.86,15.7 176.86,17.96 178.4,19.5 189.8,19.5 191.5,17.8 Q4.2@191.5,15.01
NetL2_2: L2.2 R49.1 U21.1 U21.2 | length 49.3
  L4 w0.254: U21.2@104.6,52.035 106.995,52.035 107.9,51.13 107.9,38.9 107.6,38.6 R49.1@106.1,38.6
  L4 w2.54: U21.1@104.6,53.305 104.6,58.729 108.6,62.729 108.6,67.3 116.4,75.1 L2.2@116.4,79.9
NetQ6_1: Q6.1 Q7.4 Q8.1 R27.1 | length 21.5
  L4 w0.254: Q6.1@81.75,26.775 81.75,27.85 81.3,28.3 77.2,28.3 77,28.1 77,27.15 Q8.1@76.95,27.1 76.9,27.05 76.9,23.9 77.9,22.9 81.7,22.9 81.97,22.63 Q7.4@81.97,21 85.85,21 R27.1@85.9,21.05
NetQ7_2: Q7.2 R28.2 | length 3.3
  L4 w0.254: R28.2@76.2,12.65 79.28,12.65 Q7.2@79.43,12.8
NetQ11_1: Q11.1 Q12.3 R29.2 | length 11.3
  L4 w0.254: Q11.1@205.8,110.6 210.3,110.6 211.3,109.6 R29.2@211.3,108.2 Q12.3@215.3,108.2
NetQ12_1: Q12.1 R30.2 | length 2.5
  L4 w0.254: Q12.1@216.25,105.8 216.3,105.75 R30.2@216.3,103.35
NetQ13_1: Q13.1 Q14.3 R34.2 | length 11.7
  L4 w0.254: Q13.1@205.9,128.4 211.2,128.4 211.8,127.8 Q14.3@211.8,126.4 212.1,126.1 R34.2@215.8,126.1
NetQ14_1: Q14.1 R35.2 | length 3.6
  L4 w0.254: R35.2@212.35,120.6 212.35,122.45 212.75,122.85 Q14.1@212.75,124
NetQ15_1: Q15.1 Q16.3 R39.2 | length 11.2
  L4 w0.254: Q15.1@205.2,71.6 208.4,71.6 209.5,70.5 R39.2@209.5,68.5 209.6,68.6 Q16.3@213.9,68.6
NetQ16_1: Q16.1 R40.2 | length 2.3
  L4 w0.254: Q16.1@214.85,66.2 214.9,66.15 R40.2@217.1,66.15
NetQ17_1: Q17.1 Q18.3 R44.2 | length 10.4
  L4 w0.254: Q17.1@205.9,91.4 209.6,91.4 210.7,90.3 R44.2@210.7,88.7 210.9,88.9 Q18.3@214.2,88.9
NetQ18_1: Q18.1 R45.2 | length 3.1
  L4 w0.254: R45.2@215.05,83.4 215.05,86.4 Q18.1@215.15,86.5
NetR1_2: R1.2 R3.2 U1.3 | length 11.2
  L4 w0.254: R1.2@30.2,41.6 30.2,43.55 R3.2@30.15,43.6 30.15,43.825 30.498,44.173 30.723,44.173 32.65,46.1 34.185,46.1 36.335,43.95 U1.3@36.335,43.05
NetR2_2: R2.2 R4.2 U1.5 | length 5.3
  L4 w0.254: U1.5@37.605,38.15 37.605,38.494 37.811,38.7 R2.2@40.8,38.7 40.8,37.05 R4.2@40.75,37
NetR5_1: R5.1 R7.2 U2.2 | length 14.7
  L4 w0.254: U2.2@20.865,24.8 20.865,27.79 21.25,28.175 R5.1@21.25,28.4 21.55,28.1 24,28.1 28,24.1 R7.2@28,21.95 R7.2@27.775,21.95
NetR5_2: R5.2 TP3.1 U2.1 U7.5 | length 96.8
  L1 w0.254: U7.5@84.18,7 84.2,6.98 TP3.1@84.2,3.7
  L3 w0.254: v1(17.4,28.4) 15.8,26.8 15.8,13 16.8,12 80.8,12 84.18,8.62 U7.5@84.18,7
  L4 w0.254: v1(17.4,28.4) R5.2@19.35,28.4 19.595,28.155 U2.1@19.595,24.8
NetR6_2: R6.2 R7.1 R10.1 | length 4
  L4 w0.254: R6.2@26,20.05 R7.1@28,20.05 R10.1@30,20.05
NetR8_1: R8.1 U3.7 | length 44.8
  L1 w0.254: U3.7@38.1,43.735 39.935,43.735 v1(40.3,44.1)
  L2 w0.254: v1(13.4,23.4) 13.4,29.4 18.2,34.2 31.4,34.2 35.7,38.5 35.7,41.6 38.2,44.1 v1(40.3,44.1)
  L4 w0.254: v1(13.4,23.4) R8.1@15.05,23.4
NetR8_2: R8.2 R9.2 U2.3 | length 9
  L4 w0.254: R8.2@16.95,23.4 R8.2@16.95,23.248 ; R9.2@17.05,21 16.95,21.1 R8.2@16.95,23.248 ; U2.3@22.135,24.8 22.135,23.984 21.051,22.9 17.298,22.9 R8.2@16.95,23.248
NetR11_1: R11.1 R13.2 U4.2 | length 12.5
  L4 w0.254: R11.1@20.65,17.6 20.765,17.485 U4.2@20.765,14.9
  L4 w0.508: R11.1@20.85,17.6 24.5,17.6 24.7,17.4 24.7,16 25.3,15.4 26.6,15.4 27.4,14.6 R13.2@27.4,13.45
NetR11_2: R11.2 TP4.1 U4.1 U7.6 | length 86.7
  L1 w0.254: U7.6@86.72,7 86.8,6.92 TP4.1@86.8,3.7
  L3 w0.254: v1(17.4,17.6) 16.5,16.7 16.5,13.4 17.4,12.5 83.6,12.5 86.72,9.38 U7.6@86.72,7
  L4 w0.254: v1(17.4,17.6) R11.2@18.75,17.6 ; R11.2@18.95,17.6 R11.2@18.75,17.6 ; U4.1@19.495,14.9 19.495,15.7 18.75,16.445 R11.2@18.75,17.6
NetR12_2: R12.2 R13.1 R16.1 | length 4
  L4 w0.254: R12.2@25.4,11.55 R13.1@27.4,11.55 R16.1@29.4,11.55
NetR14_1: R14.1 U5.7 | length 38
  L1 w0.254: U5.7@37.6,32.035 39.235,32.035 v1(40,32.8)
  L3 w0.254: v1(18,13.9) 27.9,13.9 40,26 v1(40,32.8)
  L4 w0.254: R14.1@16.5,13.95 16.55,13.9 v1(18,13.9)
NetR14_2: R14.2 R15.2 U4.3 | length 9.4
  L4 w0.254: R15.2@14.3,12.05 R14.2@16.5,12.05 19.985,12.05 22.035,14.1 U4.3@22.035,14.9
NetR32_1: R32.1 U7.32 | length 21.8
  L4 w0.381: R32.1@84.5,36.25 84.5,35.9 86.1,34.3 102.6,34.3 U7.32@104.5,32.4
NetR33_2: R33.2 U11.2 U14.3 | length 23.7
  L1 w0.254: v1(71.8,45.5) 74.2,47.9 v1(83.3,47.9)
  L4 w0.254: U14.3@70.35,45.575 U14.3@69.825,45.575 69.862,45.538 71.762,45.538 v1(71.8,45.5) ; R33.2@78.35,43 78.35,43.225 78.698,43.573 78.923,43.573 79.85,44.5 79.9,44.5 80.3,44.9 80.3,46.976 80.449,47.125 U11.2@81.625,47.125 81.65,47.1 83.085,47.1 83.234,47.249 83.234,47.834 v1(83.3,47.9)
NetR36_1: R36.1 R38.2 U13.2 | length 5
  L4 w0.254: U13.2@69.725,38.125 70.303,38.125 70.478,37.95 R38.2@72,37.95 72.1,38.05 R36.1@72.1,40.55
NetR36_2: R36.2 R37.1 | length 2.1
  L4 w0.254: R37.1@70,42.45 R36.2@72.1,42.45
NetR37_2: R37.2 U11.3 U12.3 U13.1 U14.2 U15.2 | length 48.3
  L2 w0.254: v1(68.4,51.7) 69.5,50.6 82.1,50.6 84,48.7 v1(84,46.475)
  L4 w0.254: v1(68.4,51.7) 68.425,51.725 U15.2@69.825,51.725 70.975,51.725 71.6,51.1 71.6,46.8 71.025,46.225 U14.2@69.825,46.225 68.575,46.225 67.8,45.45 67.8,41.4 68.65,40.55 R37.2@70,40.55 70,38.866 69.909,38.775 U13.1@69.725,38.775 ; U11.3@81.625,46.475 U11.3@82.325,46.475 ; v1(84,46.475) U11.3@82.325,46.475 ; U12.3@88.275,46.925 86.125,46.925 85.675,46.475 U11.3@82.325,46.475
NetR38_1: R38.1 R42.1 U19.1 U19.2 | length 60.2
  L3 w0.254: v1@69.4,34.7 69.4,51.4 71.9,53.9 78.951,53.9 80.293,55.241 80.293,64.893 v1(81.7,66.3)
  L4 w0.254: v1(69.5,34.5) 71.8,34.5 72,34.7 R38.1@72,36.05 R38.1@71.9,35.95 ; R42.1@74.9,56.15 76.05,56.15 76.3,56.4 76.3,60.7 77,61.4 78.5,61.4 80.625,63.525 U19.2@81.825,63.525 81.825,64.141 81.7,64.266 v1(81.7,66.3)
NetR41_1: R41.1 R42.2 U16.2 | length 5
  L4 w0.254: U16.2@69.929,58.221 71.246,58.221 71.417,58.05 R41.1@72.7,58.05
  L4 w0.381: U16.2@69.925,58.225 U16.2@69.929,58.221 ; R41.1@72.7,58.05 R42.2@74.9,58.05
NetR41_2: R41.2 U10.5 U16.1 | length 47.5
  L3 w0.254: v1(70.8,55.7) 69.1,55.7 68,56.8 v1(68,58.7) 66.8,57.5 66.8,34.1 68.1,32.8 71.4,32.8 73.9,35.3 73.9,35.892 v1@74.889,36.881
  L4 w0.254: v1(68,58.7) 68.094,58.7 68.269,58.875 U16.1@69.925,58.875 ; v1(70.8,55.7) 71.25,56.15 R41.2@72.7,56.15 ; v1@74.889,36.881 v1(74.916,36.853) 77.347,36.853 U10.5@77.375,36.825
NetR43_1: R43.1 U10.6 U10.7 | length 5.1
  L4 w0.254: R43.1@74.9,40.55 74.9,38.9 75.675,38.125 U10.7@77.375,38.125 U10.6@77.375,37.475
NetR46_2: R46.2 U17.1 U17.2 | length 4.3
  L4 w0.254: U17.2@81.625,51.825 U17.1@81.625,52.475 82.15,52.475 83.475,53.8 84.65,53.8 R46.2@84.7,53.85
NetR47_2: R47.2 U11.6 U11.7 | length 20.8
  L3 w0.254: v1(79.027,48.797) 79.027,52.427 86.7,60.1 v1(86.7,60.8)
  L4 w0.254: U11.6@77.575,46.475 U11.7@77.575,47.125 78.725,47.125 79.027,47.427 v1(79.027,48.797) ; R47.2@86.65,62.8 86.7,62.75 v1(86.7,60.8)
NetR48_2: R48.2 U18.1 U18.2 | length 14.3
  L4 w0.254: R48.2@75.1,48.85 75.1,52.8 76.9,54.6 79.4,54.6 80.1,55.3 80.1,57.276 80.249,57.425 U18.2@81.725,57.425 U18.1@81.725,58.075
NetR49_2: R49.2 R50.2 U20.3 | length 5.2
  L4 w0.254: U20.3@102.95,41.465 105.965,41.465 R49.2@106.1,41.6 106.1,43.45 R50.2@106,43.55
NetR51_1: R51.1 U21.7 | length 15.9
  L4 w0.254: U21.7@99,52.035 99.151,51.884 100.156,51.884 100.7,51.34 100.7,38.675 99.95,37.925 R51.1@99.95,37.7
NetR51_2: R51.2 R52.2 U20.5 | length 4.6
  L4 w0.254: R52.2@98.05,35.6 R51.2@98.05,37.7 U20.5@98.05,40.195
NetTP1_1: TP1.1 U1.1 U1.2 U7.7 | length 80.1
  L1 w0.254: TP1.1@89.2,3.7 89.2,6.94 U7.7@89.26,7
  L3 w0.254: v1(34.299,44.947) 54.946,24.3 76.5,24.3 89.3,11.5 89.3,7.04 U7.7@89.26,7
  L4 w0.254: v1(34.299,44.947) 33.795,44.443 U1.1@33.795,43.05 U1.2@35.065,43.05
NetTP2_1: TP2.1 U1.6 U1.7 U7.8 | length 77.2
  L1 w0.254: U7.8@91.8,7 91.9,6.9 TP2.1@91.9,3.7
  L3 w0.254: v1(35.5,34.6) 43.6,34.6 59.8,18.4 79.7,18.4 v1(87.7,10.4)
  L4 w0.254: v1(35.5,34.6) 35.065,35.035 U1.7@35.065,38.15 U1.6@36.335,38.15 ; v1(87.7,10.4) 90.4,10.4 91.8,9 U7.8@91.8,7
NetU7_9: U7.9 U10.3 | length 36.8
  L2 w0.254: v1(83.1,37.4) 85.7,34.8 85.7,27.6 94.34,18.96 U7.9@94.34,7
  L4 w0.254: U10.3@81.425,37.475 81.5,37.4 v1(83.1,37.4)
Q1: IC5.12 TP11.1 U11.1 | length 126
  L1 w0.254: v1(135.1,124.7) 135.1,124.9 TP11.1@135.9,125.7
  L3 w0.254: v1(86.2,50.4) 109.4,73.6 129.4,73.6 144.1,88.3 144.1,122.651 143.951,122.8 v1(139.6,122.8)
  L4 w0.254: U11.1@81.625,47.775 82.097,47.775 82.535,48.213 82.535,49.335 83.6,50.4 v1(86.2,50.4) ; v1(135.1,124.7) 135.1,123.7 135.965,122.835 IC5.12@136.712,122.835 136.73,122.817 139.583,122.817 v1(139.6,122.8)
Q1BAR: IC5.14 TP12.1 U14.1 | length 136.6
  L1 w0.254: v1(133.3,126.516) 133.3,126.4 TP12.1@134.3,126.4
  L3 w0.254: v1(70.3,48.1) 81.7,48.1 109,75.4 129.1,75.4 142.6,88.9 142.6,118.8 141.1,120.3 v1(140.1,120.3)
  L4 w0.254: U14.1@69.825,46.875 69.825,47.625 v1(70.3,48.1) ; v1(133.3,126.516) 133.3,122.3 135.305,120.295 IC5.14@136.712,120.295 136.715,120.297 140.097,120.297 v1(140.1,120.3)
Q2: IC6.12 TP13.1 U12.1 | length 104.2
  L1 w0.254: TP13.1@128.4,123.5 129.535,122.365 IC6.12@129.535,121.212 v1(129.535,118.935)
  L2 w0.254: v1(88.2,44.3) 87.5,45 87.5,70.3 115,97.8 124.3,97.8 129.535,103.035 v1(129.535,118.935)
  L4 w0.254: v1(88.2,44.3) 88.2,45.55 U12.1@88.275,45.625
Q2BAR: IC6.14 TP14.1 U15.1 | length 96.3
  L1 w0.254: v1(125.6,117.9) 126.995,119.295 IC6.14@126.995,121.212 126.995,123.095 TP14.1@127,123.1
  L2 w0.254: v1(72.8,52.3) 75.4,54.9 75.4,67.7 v1(125.6,117.9)
  L4 w0.254: U15.1@69.825,52.375 69.9,52.3 v1(72.8,52.3)
VBAT: TP15.1 U7.11 U20.1 U20.2 | length 45
  L1 w0.254: TP15.1@101.5,46.8 102.9,45.4 v1(103.2,45.4)
  L2 w0.254: U7.11@99.42,7 99.42,23.62 103.2,27.4 v1(103.2,45.4)
  L4 w0.254: U20.2@102.95,42.735 U20.1@102.95,44.005 103.2,44.255 v1(103.2,45.4)
pads on no net: IC1.2 IC2.2 IC3.2 IC4.2 IC5.4 IC5.5 IC5.9 IC5.10 IC5.13 IC5.16 IC6.4 IC6.5 IC6.9 IC6.10 IC6.13 IC6.16 IC7.2 U2.5 U2.6 U2.7 U4.5 U4.6 U4.7 U7.1 U7.2 U7.3 U7.4 U7.12 U7.15 U7.16 U7.17 U7.18 U7.21 U7.22 U7.25 U7.33 U7.34 U7.35 U7.36 U7.37 U7.38 U8.4 U8.5 U8.7 U9.4 U9.5 U9.7 U12.5 U12.6 U12.7 U13.5 U13.6 U13.7 U14.5 U14.6 U14.7 U15.5 U15.6 U15.7 U16.5 U16.6 U16.7 U17.5 U17.6 U17.7 U18.5 U18.6 U18.7 U19.5 U19.6 U19.7

## Polygon pours and split planes (outlines as drawn)
+5V on L4 "+5V_L04_P009" (solid, pour order 9): 88.5,22.9 121.3,22.9 121.3,4.8 88.5,4.8
GND on L4 "GND_L04_P005" (solid, pour order 5): 10,30.8 26.4,30.8 26.4,47.9 44.5,47.9 44.6,47.9 44.724,47.876 44.724,6.648 10,6.648
NetC28_1 on L4 "NETC28_1_L04_P002" (solid, pour order 2): 204.06,55 204.06,44.4 214.66,44.4 214.66,55
NetC28_1 on L4 "NONET_L04_P001" (solid, shelved, pour order 1): 203.3,55.1 203.3,44.7 215,44.7 215,55.1
HGND on L4 "HGND_L04_P000" (solid, pour order 0): 63.5,88.1 63.5,34 91,34 91,88.1
GND on L1 "GND_L01_P006" (solid, pour order 6): 1.6,133.4 1.6,1.2 218,1.2 217.7,1.5 217.7,132.8
NetC28_2 on L1 "NETC28_2_L01_P003" (solid, pour order 3): 204.1,42.5 204.1,32 215.4,32 215.4,42.5
+12V on L3 "+12V_L03_P007" (solid, pour order 7): 217.5,18 217.6,17.9 217.6,1.1 1.5,1.1 1.5,29.7 26.8,29.7 26.8,47.2 62.6,47.2 62.7,47.3 62.6,47.4 62.6,98.3 118,98.3 118,131.6 213.6,131.6 217.7,127.5
+5V on L2 "+5V_L02_P008" (solid, pour order 8): 1.833,1.366 139.998,1.366 139.898,127.666 134.933,127.666 134.533,127.666 39.733,127.666 39.733,49.766 38.033,48.066 1.833,48.066 1.833,1.466

## Silkscreen, mask and mechanical layers (free items; w line width, h text height)
Top Overlay:
  drawing of 396 lines, arcs and shapes, not listed
  text "PLACA DE POTENCIA / V1.0" at 154.177,24.2 h1.02